# Altium PCB 2 Layers.PcbDoc (part 1 of 2) (continued)
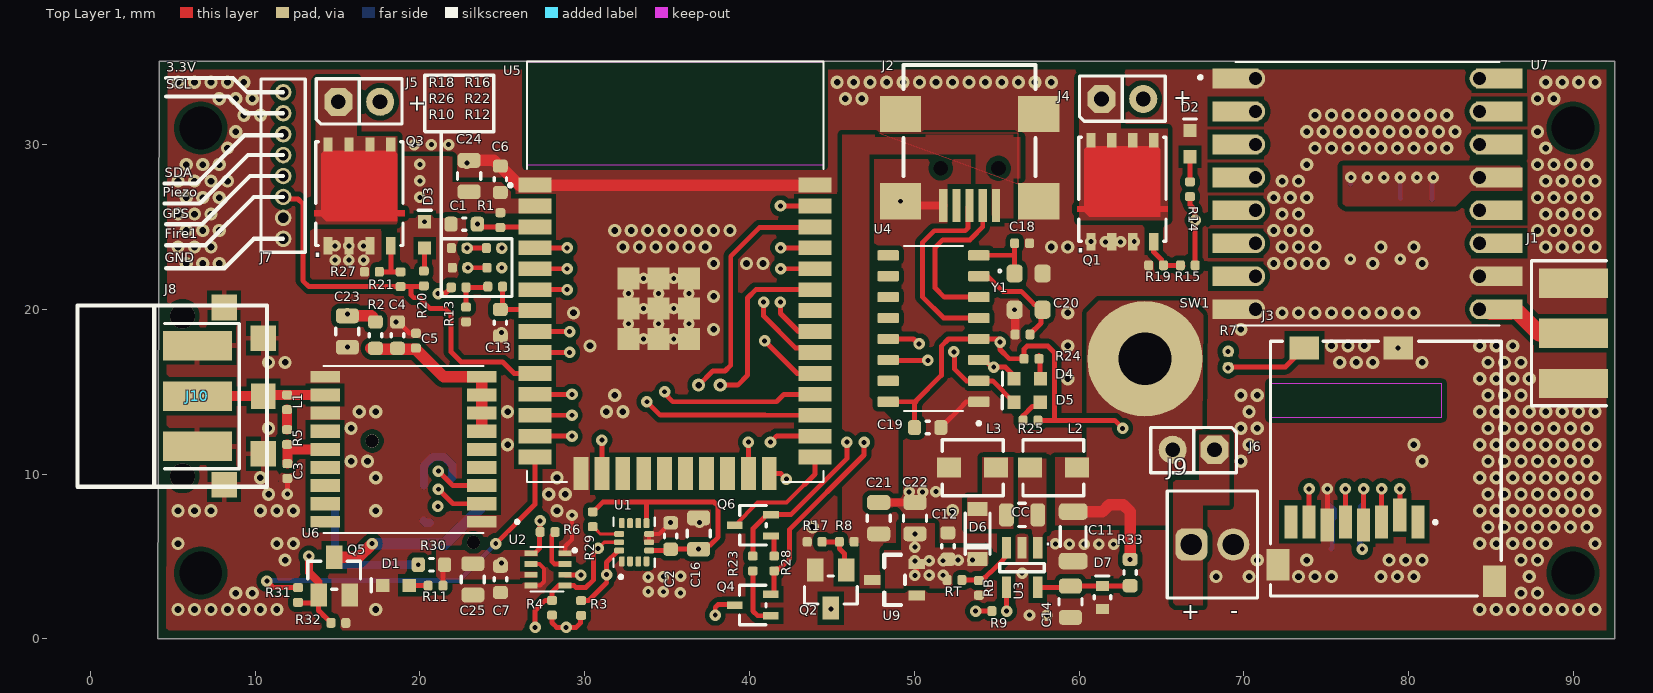
[diagram p0: Top Layer 1 view]
## Footprints (in the part's own frame and the unit in brackets; to place one, negate y for a bottom-side part, rotate by r counter-clockwise, add the part's x,y. Pads: shape width x height; smd on the part's side, far side on the other; paste and mask are expansions set on the pad) (continued)
  silkscreen extent -2.65,-3.15 2.65,3.15, body extent -2.5,-3 2.5,3, height 1
PQFN50P250X300X86-14N [mm]
  rrect50% 0.61x0.35 smd: 1(-1.16,0.75) 2(-1.16,0.25) 3(-1.16,-0.25) 4(-1.16,-0.75) 8(1.16,-0.75) 9(1.16,-0.25) 10(1.16,0.25) 11(1.16,0.75)
  rrect50% 0.35x0.61 smd: 5(-0.5,-0.91) 6(0,-0.91) 7(0.5,-0.91) 12(0.5,0.91) 13(0,0.91) 14(-0.5,0.91)
  silkscreen extent -2.2,-1.25 1.5,1.25, body extent -1.5,-1.25 1.5,1.25, height 0.86
RES_C_0402 [mm] "Chip Resistor, 2-Leads, Body 1.0x0.5mm, IPC Medium Density"
  rrect50% 0.55x0.6 smd: 1(-0.45,0) 2(0.45,0)
  body extent -0.5,-0.3 0.5,0.3, height 0.2
RES_C_0603 [mm] "Chip Resistor, 2-Leads, Body 1.6x0.8mm, IPC Medium Density"
  rrect50% 0.8x0.9 smd: 1(-0.8,0) 2(0.8,0)
  silkscreen extent -0.1,-0.38 0.1,0.38, body extent -0.8,-0.4 0.8,0.4, height 0.3
Screw_SW [mm]
  round 7 smd: 1(-0.016,0.069)
  round 7 smd far side: 2(-0.016,0.069)
SOD-123FL_L [mm]
  rect 0.85x1.2 smd: 1(-1.525,0) 2(1.525,0)
  silkscreen extent -1.25,-0.75 1.25,0.75, body extent -1.79,-0.82 1.79,0.82, height 0.94
SOD-523 [mm] "SOD-523, 2-Leads, L=1.2mm, W=0.8mm, H=0.6mm"
  rect 0.6x0.8 smd: 1(-0.7,0) 2(0.7,0)
  silkscreen extent -0.1,-0.5 1.3,0.5, body extent -0.8,-0.4 0.8,0.4, height 0.7
SOIC127P600X180-16N [mm]
  rrect25% 1.31x0.62 smd: 1(-2.75,4.445) 2(-2.75,3.175) 3(-2.75,1.905) 4(-2.75,0.635) 5(-2.75,-0.635) 6(-2.75,-1.905) 7(-2.75,-3.175) 8(-2.75,-4.445) 9(2.75,-4.445) 10(2.75,-3.175) 11(2.75,-1.905) 12(2.75,-0.635) 13(2.75,0.635) 14(2.75,1.905) 15(2.75,3.175) 16(2.75,4.445)
  silkscreen extent -2.85,-5 1.78,5.85, body extent -3,-5 3,5, height 1.8
SOT-23-3 [mm]
  rect 1x1.4 smd: 1(-0.95,-1.15) 2(0.95,-1.15) 3(0,1.15)
  silkscreen extent -1.6,-0.8 1.6,0.9, body extent -1.5,-1.25 1.5,1.25, height 1.09
SOT-23-5 [mm] "SOT-23-5"
  rect 0.55x1.3 smd: 1(-0.95,-1.2) 2(0,-1.2) 3(0.95,-1.2) 4(0.95,1.2) 5(-0.95,1.2)
  silkscreen extent -1.35,-0.25 1.35,0.25, body extent -1.5,-1.25 1.5,1.25, height 1.08
SOT-23A-3 [mm]
  rect 0.6x1 smd: 1(-0.95,-1.35) 2(0.95,-1.35) 3(0,1.35)
  silkscreen extent -1.52,-0.65 1.52,0.62, body extent -1.5,-1.25 1.5,1.25, height 1.09
SOT-323-3 [mm] "SC-70-3 Equivalent"
  rect 0.45x0.95 smd: 1(-0.65,-1.1) 2(0.65,-1.1) 3(0,1.1)
  silkscreen extent -1.2,-0.8 1.2,0.8, body extent -1.1,-1.12 1.1,1.12, height 1.1
XCVR_MAX-M8C-0-10 [mm]
  rect 1.8x0.7 smd paste-2 mask+0: 1(-4.75,4.4) 9(-4.75,-4.4) 10(4.75,-4.4) 18(4.75,4.4)
  rect 1.8x0.8 smd paste-2 mask+0: 2(-4.75,3.3) 3(-4.75,2.2) 4(-4.75,1.1) 5(-4.75,0) 6(-4.75,-1.1) 7(-4.75,-2.2) 8(-4.75,-3.3) 11(4.75,-3.3) 12(4.75,-2.2) 13(4.75,-1.1) 14(4.75,0) 15(4.75,1.1) 16(4.75,2.2) 17(4.75,3.3)
  silkscreen extent -7,-5.06 4.85,5.06
XCVR_RFM98W-433S2 [mm]
  rect 2.8x1.2 smd: 1(-8,7) 2(-8,5) 3(-8,3) 4(-8,1) 5(-8,-1) 6(-8,-3) 7(-8,-5) 8(-8,-7) 9(8,-7) 10(8,-5) 11(8,-3) 12(8,-1) 13(8,1) 14(8,3) 15(8,5) 16(8,7)
  round 1.2 hole 0.8: 1_1(-6.8,7) 2_1(-6.8,5) 3_1(-6.8,3) 4_1(-6.8,1) 5_1(-6.8,-1) 6_1(-6.8,-3) 7_1(-6.8,-5) 8_1(-6.8,-7) 9_1(6.8,-7) 10_1(6.8,-5) 11_1(6.8,-3) 12_1(6.8,-1) 13_1(6.8,1) 14_1(6.8,3) 15_1(6.8,5) 16_1(6.8,7)
  silkscreen extent -10.23,-8 8,8
XDCR_BMP280 [mm]
  rect 0.8x0.35 smd: 1(1.1,0.975) 2(1.1,0.325) 3(1.1,-0.325) 4(1.1,-0.975) 5(-0.95,-0.975) 6(-0.95,-0.325) 7(-0.95,0.325) 8(-0.95,0.975)
  silkscreen extent -1,-1.35 1.8,1.35

## Part data
C1 C2 C4 C6 C7 C8 C10 C13 C19: library part CAP0380, Manufacturer 1=AVX, Manufacturer Part Number 1=06033D104KAT2A, Operating Temperature="-55C to +85C", Package=0603, Supplier Part Number 1=478-1244-1-ND, Temperature Coefficient=X5R, Tolerance=10%, Voltage=25V, Category=Capacitor, ComponentLink1Description="SVN Datasheet", ComponentLink1URL=https://chn-vm-apps.microchip.com/mchprepo/parts/Datasheets/smccp.pdf, ComponentLink2Description="Local Datasheet", ComponentLink2URL=C:\ALTIUM_WORK\00001_MCHP-CDB\Datasheets\smccp.pdf, ComponentLink3Description="Open Symbol", ComponentLink3URL="C:\ALTIUM_WORK\00001_MCHP-CDB\Library\LibraryRefs\Capacitor NP.SchLib", ComponentLink4Description="Open Footprint", ComponentLink4URL=C:\ALTIUM_WORK\00001_MCHP-CDB\Library\Footprints\CAP_C_0603.PcbLib, ComponentLink5Description="Open Footprint 2", ComponentLink6Description="Open Footprint 3", ComponentLink7Description="Open Footprint 4", Description_="CAP CER 0.1uF 25V 10% X5R SMD 0603", Dev Tools Status=Production, MCHP-ID=CAP0380, Populated=Yes, Quantity Override=1, Revision=1, Status="MCL Design", Supplier 1=Digi-Key, Symbol="Capacitor NP", Type=Ceramic
C3 C5: library part CAP0278, Manufacturer 1=KEMET, Manufacturer Part Number 1=C0402C103K4RACTU, Manufacturer Part Number 2=C0402C103K4RAC, Operating Temperature="-55C to +125C", Package=0402, Supplier Part Number 1=399-1038-1-ND, Temperature Coefficient=X7R, Tolerance=10%, Voltage=16V, Category=Capacitor, ComponentLink1Description="SVN Datasheet", ComponentLink1URL=https://chn-vm-apps.microchip.com/mchprepo/parts/Datasheets/KEM_C1002_X7R_SMD.pdf, ComponentLink2Description="Local Datasheet", ComponentLink2URL=C:\ALTIUM_WORK\00001_MCHP-CDB\Datasheets\KEM_C1002_X7R_SMD.pdf, ComponentLink3Description="Open Symbol", ComponentLink3URL="C:\ALTIUM_WORK\00001_MCHP-CDB\Library\LibraryRefs\Capacitor NP.SchLib", ComponentLink4Description="Open Footprint", ComponentLink4URL=C:\ALTIUM_WORK\00001_MCHP-CDB\Library\Footprints\CAP_C_0402.PcbLib, ComponentLink5Description="Open Footprint 2", ComponentLink6Description="Open Footprint 3", ComponentLink7Description="Open Footprint 4", Description_="CAP CER 10000pF 16V 10% X7R SMD 0402", Dev Tools Status=Production, Manufacturer 2=KEMET, MCHP-ID=CAP0278, Populated=YES, Quantity Override=1, Revision=1, Status="MCL Design", Supplier 1=Digi-Key, Supplier 2=KEMET, Supplier Part Number 2=C0402C103K4RAC, Symbol="Capacitor NP", Type=Ceramic
C9: library part CAP0048, "Capacitor", Manufacturer 1=AVX, Manufacturer 2=Nemco, Manufacturer 4=Vishay, Manufacturer Part Number 1=TAJB106M016Y, Manufacturer Part Number 2=PCT10/16BKLF, Manufacturer Part Number 3=PCT10/16BMLF, Manufacturer Part Number 4=293D106X0016B2WE3, Manufacturer Part Number 5=293D106X0016B2W, Operating Temperature="-55C to +85C", Package=TANT-B, Tolerance=20%, Voltage=16V, Category=Capacitor, ComponentLink1Description="SVN Datasheet", ComponentLink1URL=https://chn-vm-apps.microchip.com/mchprepo/parts/Datasheets/293d.pdf, ComponentLink2Description="Local Datasheet", ComponentLink2URL=C:\ALTIUM_WORK\00001_MCHP-CDB\Datasheets\293d.pdf, ComponentLink3Description="Open Symbol", ComponentLink3URL="C:\ALTIUM_WORK\00001_MCHP-CDB\Library\LibraryRefs\Capacitor POL.SchLib", ComponentLink4Description="Open Footprint", ComponentLink4URL=C:\ALTIUM_WORK\00001_MCHP-CDB\Library\Footprints\CAP_TANT_B.PcbLib, ComponentLink5Description="Open Footprint 2", ComponentLink6Description="Open Footprint 3", ComponentLink7Description="Open Footprint 4", Description_="CAP TANT 10uF 16V 20% 2Ohm SMD B", Dev Tools Status=Production, ESR=2Ohm, Manufacturer 3=Nemco, Manufacturer 5=Vishay, MCHP-ID=CAP0048, Populated=Yes, Quantity Override=1, Revision=1, Status="MCL Design", Supplier 1=AVX, Supplier 2=Nemco, Supplier 3=Nemco, Supplier 4=Vishay, Supplier 5=Vishay, Supplier Part Number 1=TAJB106M016Y, Supplier Part Number 2=PCT10/16BKLF, Supplier Part Number 3=PCT10/16BMLF, Supplier Part Number 4=293D106X0016B2WE3, Supplier Part Number 5=293D106X0016B2W, Symbol="Capacitor POL", Type=Tantalum
C11: library part CAP1159, Manufacturer 1="Murata Electronics North America", Manufacturer 2="Taiyo Yuden", Manufacturer Part Number 1=GRM31CR71E106KA12L, Manufacturer Part Number 2=TMK316B7106KL-TD, Operating Temperature="-55C to +125C", Package=1206, Supplier Part Number 1=490-6518-1-ND, Temperature Coefficient=X7R, Tolerance=10%, Voltage=25V, Category=Capacitor, ComponentLink1Description="SVN Datasheet", ComponentLink1URL=https://chn-vm-apps.microchip.com/mchprepo/parts/Datasheets/mlcc01_e.pdf, ComponentLink2Description="Local Datasheet", ComponentLink2URL=C:\ALTIUM_WORK\00001_MCHP-CDB\Datasheets\mlcc01_e.pdf, ComponentLink3Description="Open Symbol", ComponentLink3URL="C:\ALTIUM_WORK\00001_MCHP-CDB\Library\LibraryRefs\Capacitor NP.SchLib", ComponentLink4Description="Open Footprint", ComponentLink4URL=C:\ALTIUM_WORK\00001_MCHP-CDB\Library\Footprints\CAP_C_1206.PcbLib, ComponentLink5Description="Open Footprint 2", ComponentLink6Description="Open Footprint 3", ComponentLink7Description="Open Footprint 4", Description_="CAP CER 10uF 25V 10% X7R SMD 1206", Dev Tools Status=Production, MCHP-ID=CAP1159, Owner="Adrian T (M91397)", Populated=Yes, Quantity Override=1, Revision=0, Status="MCL Design", Supplier 1=Digi-Key, Supplier 2=Digi-Key, Supplier Part Number 2=587-2399-1-ND, Symbol="Capacitor NP", Type=Ceramic
C12: library part CAP0542, "Capacitor", Manufacturer 1=Samsung, Manufacturer 2="TDK Corporation", Manufacturer 3=Panasonic, Manufacturer Part Number 1=CL10A106MP8NNNC, Manufacturer Part Number 2=C1608X5R1A106M, Manufacturer Part Number 3=ECJ-1VB1A106M, Operating Temperature="-55C to +85C", Package=0603, Supplier Part Number 1=1276-1871-1-ND, Temperature Coeffcient=X5R, Tolerance=20%, Voltage=10V, Category=Capacitor, ComponentLink1Description="SVN Datasheet", ComponentLink1URL=https://chn-vm-apps.microchip.com/mchprepo/parts/Datasheets/ECJ__General_.pdf, ComponentLink2Description="Local Datasheet", ComponentLink2URL=C:\ALTIUM_WORK\00001_MCHP-CDB\Datasheets\ECJ__General_.pdf, ComponentLink3Description="Open Symbol", ComponentLink3URL="C:\ALTIUM_WORK\00001_MCHP-CDB\Library\LibraryRefs\Capacitor NP.SchLib", ComponentLink4Description="Open Footprint", ComponentLink4URL=C:\ALTIUM_WORK\00001_MCHP-CDB\Library\Footprints\CAP_C_0603.PcbLib, ComponentLink5Description="Open Footprint 2", ComponentLink6Description="Open Footprint 3", ComponentLink7Description="Open Footprint 4", Description_="CAP CER 10uF 10V 20% X5R SMD 0603", Dev Tools Status=Production, MCHP-ID=CAP0542, Populated=Yes, Quantity Override=1, Revision=2, Status="MCL Design", Supplier 1=Digi-Key, Supplier 2=Digi-Key, Supplier 3=Digi-Key, Supplier Part Number 2=445-6853-1-ND, Supplier Part Number 3=PCC2479CT-ND, Symbol="Capacitor NP", Type=Ceramic
C14: library part CAP1752, Manufacturer 1=KEMET, Manufacturer Part Number 1=C0805C125K4RACTU, Operating Temperature="-55C to +125C", Package=0805, Supplier Part Number 1=399-4927-1-ND, Temperature Coefficient=X7R, Tolerance=10%, Voltage=16V, Category=Capacitor, ComponentLink1Description="SVN Datasheet", ComponentLink1URL=https://chn-vm-apps.microchip.com/mchprepo/parts/Datasheets/KEM_C1002_X7R_SMD.pdf, ComponentLink2Description="Local Datasheet", ComponentLink2URL=C:\ALTIUM_WORK\00001_MCHP-CDB\Datasheets\KEM_C1002_X7R_SMD.pdf, ComponentLink3Description="Open Symbol", ComponentLink3URL="C:\ALTIUM_WORK\00001_MCHP-CDB\Library\LibraryRefs\Capacitor NP.SchLib", ComponentLink4Description="Open Footprint", ComponentLink4URL=C:\ALTIUM_WORK\00001_MCHP-CDB\Library\Footprints\CAP_C_0805.PcbLib, ComponentLink5Description="Open Footprint 2", ComponentLink6Description="Open Footprint 3", ComponentLink7Description="Open Footprint 4", Description_="CAP CER 1.2uF 16V 10% X7R SMD 0805", Dev Tools Status=Design, MCHP-ID=CAP1752, Owner="Alexandru Chiser - M19201", Populated=YES, Quantity Override=1, Revision=A, Status="MCL Design", Supplier 1=Digi-Key, Symbol="Capacitor NP", Type=Ceramic
C16 C21 C22 C23 C24 C25 C26 C27: library part CAP1017, "Capacitor", Manufacturer 1=TDK, Manufacturer Part Number 1=C2012X5R1H225K, Operating Temperature="-55C to +85C", Package=0805, Supplier Part Number 1=445-5976-1-ND, Temperature Coeffcient=X5R, Tolerance=10%, Voltage=50V, Category=Capacitor, ComponentLink1Description="SVN Datasheet", ComponentLink1URL=https://chn-vm-apps.microchip.com/mchprepo/parts/Datasheets/general_B11.pdf, ComponentLink2Description="Local Datasheet", ComponentLink2URL=C:\ALTIUM_WORK\00001_MCHP-CDB\Datasheets\general_B11.pdf, ComponentLink3Description="Open Symbol", ComponentLink3URL="C:\ALTIUM_WORK\00001_MCHP-CDB\Library\LibraryRefs\Capacitor NP.SchLib", ComponentLink4Description="Open Footprint", ComponentLink4URL=C:\ALTIUM_WORK\00001_MCHP-CDB\Library\Footprints\CAP_C_0805.PcbLib, ComponentLink5Description="Open Footprint 2", ComponentLink6Description="Open Footprint 3", ComponentLink7Description="Open Footprint 4", Description_="CAP CER 2.2uF 50V 10% X5R SMD 0805", Dev Tools Status=Production, MCHP-ID=CAP1017, Owner="Brent Lanphear", Populated=Yes, Quantity Override=1, Revision=2, Status="MCL Design", Supplier 1=Digi-Key, Symbol="Capacitor NP", Type=Ceramic
C18 C20: library part CAP2438, Manufacturer 1="Samsung Electro-Mechanics", Manufacturer Part Number 1=CL05C200GB51PNC, Operating Temperature="-55C to +125C", Package=0402, Supplier Part Number 1=1276-CL05C200GB51PNCTR-ND, Temperature Coefficient=C0G, Tolerance=2%, Voltage=50V, Category=Capacitor, ComponentLink1Description="SVN Datasheet", ComponentLink2Description="Local Datasheet", ComponentLink3Description="Open Symbol", ComponentLink3URL="C:\ALTIUM_WORK\00001_MCHP-CDB\Library\LibraryRefs\Capacitor NP.SchLib", ComponentLink4Description="Open Footprint", ComponentLink4URL=C:\ALTIUM_WORK\00001_MCHP-CDB\Library\Footprints\CAP_C_0402.PcbLib, ComponentLink5Description="Open Footprint 2", ComponentLink6Description="Open Footprint 3", ComponentLink7Description="Open Footprint 4", Description_="Ceramic capacitor, SMD 0402, 20pF, C0G, 50V, +/-2%", Dev Tools Status=Production, MCHP-ID=CAP2438, Owner="Dragos Danaila", Populated=YES, Quantity Override=1, Revision=1, Status="MCL Design", Supplier 1=Digikey, Symbol="Capacitor NP", Type=Ceramic
CC: library part CAP0092, "Capacitor", Manufacturer 1=Panasonic, Manufacturer Part Number 1=ECJ-2YF1A475Z, Operating Temperature="-30C to +85C", Package=0805, Supplier Part Number 1=PCC1842TR-ND, Temperature Coeffcient=Y5V, Tolerance=20%, Voltage=10V, Category=Capacitor, ComponentLink1Description="SVN Datasheet", ComponentLink1URL=https://chn-vm-apps.microchip.com/mchprepo/parts/Datasheets/ECJ__General_.pdf, ComponentLink2Description="Local Datasheet", ComponentLink2URL=C:\ALTIUM_WORK\00001_MCHP-CDB\Datasheets\ECJ__General_.pdf, ComponentLink3Description="Open Symbol", ComponentLink3URL="C:\ALTIUM_WORK\00001_MCHP-CDB\Library\LibraryRefs\Capacitor NP.SchLib", ComponentLink4Description="Open Footprint", ComponentLink4URL=C:\ALTIUM_WORK\00001_MCHP-CDB\Library\Footprints\CAP_C_0805.PcbLib, ComponentLink5Description="Open Footprint 2", ComponentLink6Description="Open Footprint 3", ComponentLink7Description="Open Footprint 4", Description_="CAP CER 4.7uF 10V 20% Y5V SMD 0805", Dev Tools Status=Production, MCHP-ID=CAP0092, Populated=Yes, Quantity Override=1, Revision=1, Status="MCL Design", Supplier 1=Digi-Key, Symbol="Capacitor NP", Type=Ceramic
D1 D2 D3 D4 D5: library part DIODE1066, "LED", Forward Current=20mA, Manufacturer 1=Lumex, Manufacturer Part Number 1=SML-LX0603SRW-TR, Operating Temperature="-40C to +85C", Package=0603, Reverse Current=100uA, Reverse Voltage=5V, Supplier Part Number 1=67-1551-1-ND, Category=Diode, ComponentLink1Description="SVN Datasheet", ComponentLink1URL=https://chn-vm-apps.microchip.com/mchprepo/parts/Datasheets/SML-LX0603SRW-TR.pdf, ComponentLink2Description="Local Datasheet", ComponentLink2URL=C:\ALTIUM_WORK\00001_MCHP-CDB\Datasheets\SML-LX0603SRW-TR.pdf, ComponentLink3Description="Open Symbol", ComponentLink3URL=C:\ALTIUM_WORK\00001_MCHP-CDB\Library\LibraryRefs\LED_red.SchLib, ComponentLink4Description="Open Footprint", ComponentLink4URL=C:\ALTIUM_WORK\00001_MCHP-CDB\Library\Footprints\LED_0603_RED.PcbLib, ComponentLink5Description="Open Footprint 2", ComponentLink6Description="Open Footprint 3", ComponentLink7Description="Open Footprint 4", Description_="DIO LED RED 1.7V 20mA 15mcd Diffuse SMD 0603", Dev Tools Status=Production, MCHP-ID=DIODE1066, Owner="Tad Ahlvers", Populated=YES, Quantity Override=1, Revision=1, Status="MCL Design", Supplier 1=Digi-Key, Symbol=LED_red, Type="LED Single"
D6: library part DIODE1297, "DIO SCTKY RB160M-60TR 550mV 1A 60V SMD SOD-123F", Forward Current=1A, Manufacturer 1="Rohm Semiconductor", Manufacturer Part Number 1=RB161MM-20TR, Operating Temperature="-40C to +125C", Package=SOD-123F, Reverse Current=700uA, Reverse Voltage=20V, Supplier Part Number 1=RB161MM-20CT-ND, Category=Diode, ComponentLink1Description="SVN Datasheet", ComponentLink1URL=https://chn-vm-apps.microchip.com/mchprepo/parts/Datasheets/rb161mm-20.pdf, ComponentLink2Description="Local Datasheet", ComponentLink2URL=C:\ALTIUM_WORK\00001_MCHP-CDB\Datasheets\rb161mm-20.pdf, ComponentLink3Description="Open Symbol", ComponentLink3URL="C:\ALTIUM_WORK\00001_MCHP-CDB\Library\LibraryRefs\Diode Schottky.SchLib", ComponentLink4Description="Open Footprint", ComponentLink4URL=C:\ALTIUM_WORK\00001_MCHP-CDB\Library\Footprints\SOD-123FL.PcbLib, ComponentLink5Description="Open Footprint 2", ComponentLink5URL=C:\ALTIUM_WORK\00001_MCHP-CDB\Library\Footprints\SOD-123FL_L.PcbLib, ComponentLink6Description="Open Footprint 3", ComponentLink7Description="Open Footprint 4", Description_="DIO SCTKY RB161MM-20TR 350mV 1A 20V SMD SOD-123F", Dev Tools Status=Production, MCHP-ID=DIODE1297, Owner="Tim Moffat", Populated=YES, Quantity Override=1, Reverse Recovery Time=500ns, Revision=1, Status="MCL Design", Supplier 1=Digi-Key, Symbol="Diode Schottky", Type="Schottky Single"
D7: library part DIODE1579, Forward Current=10mA, Manufacturer 1="Panasonic Electronic Components", Manufacturer Part Number 1=DZ2S03300L, Operating Temperature="-65C to 150C", Package=SOD-523, Power=150mW, Reverse Current="20µA at 1V", Reverse Voltage=3.3V, Supplier Part Number 1=DZ2S03300LCT-ND, Category=Diode, ComponentLink1Description="SVN Datasheet", ComponentLink1URL=https://chn-vm-apps.microchip.com/mchprepo/parts/Datasheets/DZ2S03300L_E.pdf, ComponentLink2Description="Local Datasheet", ComponentLink2URL=C:\ALTIUM_WORK\00001_MCHP-CDB\Datasheets\DZ2S03300L_E.pdf, ComponentLink3Description="Open Symbol", ComponentLink3URL="C:\ALTIUM_WORK\00001_MCHP-CDB\Library\LibraryRefs\Diode Zener.SchLib", ComponentLink4Description="Open Footprint", ComponentLink4URL=C:\ALTIUM_WORK\00001_MCHP-CDB\Library\Footprints\SOD-523.PcbLib, ComponentLink5Description="Open Footprint 2", ComponentLink6Description="Open Footprint 3", ComponentLink7Description="Open Footprint 4", Description_="DIO ZENER DZ2S03300L 3.3V 150mW SMD SOD-523", Dev Tools Status=Design, MCHP-ID=DIODE1579, Owner="Octavian Stroe", Populated=YES, Quantity Override=1, Revision=A, Status="MCL Design", Supplier 1=Digi-Key, Symbol="Diode Zener", Type="Zener Single"
J1 J10: library part CON1322, Manufacturer 1="Cinch Connectivity Solutions Johnson", Manufacturer Part Number 1=142-0711-821, Supplier Part Number 1=J629-ND, Category=Connector, ComponentLink1Description="SVN Datasheet", ComponentLink1URL=https://chn-vm-apps.microchip.com/mchprepo/parts/Datasheets/pi-142-0711-821.pdf, ComponentLink2Description="Local Datasheet", ComponentLink2URL=C:\ALTIUM_WORK\00001_MCHP-CDB\Datasheets\pi-142-0711-821.pdf, ComponentLink3Description="Open Symbol", ComponentLink3URL=C:\ALTIUM_WORK\00001_MCHP-CDB\Library\LibraryRefs\CON_EDGE_SMA.SchLib, ComponentLink4Description="Open Footprint", ComponentLink4URL=C:\ALTIUM_WORK\00001_MCHP-CDB\Library\Footprints\CON_SMA_142-0711-821.PcbLib, ComponentLink5Description="Open Footprint 2", ComponentLink6Description="Open Footprint 3", ComponentLink7Description="Open Footprint 4", Description_="CON RF Coaxial SMA Female 2P EDGE MNT", Dev Tools Status=Production, MCHP-ID=CON1322, Owner="Duane Burt", Populated=YES, Quantity Override=1, Revision=A, Status="MCL Design", Supplier 1=Digi-Key, Symbol=CON_EDGE_SMA, Type=RF
J2: library part CON0276, Manufacturer 1="Wurth Electronics Inc", Manufacturer 2=Hirose, Manufacturer 3=Oupiin, Manufacturer 4="Dongguan Yang Ming Precision Plastic Hardware Electronics Co., Ltd. (ShenZhen YangMing)", Manufacturer Part Number 1=651305142821, Manufacturer Part Number 2=UX60-MB-5ST, Manufacturer Part Number 3=8969-B05C00DBU, Manufacturer Part Number 4=YM-02-04-A-36, Supplier Part Number 1=732-3154-1-ND, Category=Connector, ComponentLink1Description="SVN Datasheet", ComponentLink1URL=https://chn-vm-apps.microchip.com/mchprepo/parts/Datasheets/e24000019.pdf, ComponentLink2Description="Local Datasheet", ComponentLink2URL=C:\ALTIUM_WORK\00001_MCHP-CDB\Datasheets\e24000019.pdf, ComponentLink3Description="Open Symbol", ComponentLink3URL="C:\ALTIUM_WORK\00001_MCHP-CDB\Library\LibraryRefs\CON USB2.0 Mini_Micro.SchLib", ComponentLink4Description="Open Footprint", ComponentLink4URL=C:\ALTIUM_WORK\00001_MCHP-CDB\Library\Footprints\CON_USB-B_Mini_SMD_RA_HIR_UX60-MB-5ST.PcbLib, ComponentLink5Description="Open Footprint 2", ComponentLink6Description="Open Footprint 3", ComponentLink7Description="Open Footprint 4", Description_="CON USB2.0 MINI-B FEMALE SMD R/A", Dev Tools Status=Production, MCHP-ID=CON0276, Populated=YES, Quantity Override=1, Revision=2, Status="MCL Design", Supplier 1=Digi-Key, Supplier 2=Digi-Key, Supplier 3=Digi-Key, Supplier 4=Oupiin, Supplier 5=Raynen, Supplier Part Number 2=H2959CT-ND, Supplier Part Number 3=H2959TR-ND, Supplier Part Number 4=8969-B05C00DBU, Supplier Part Number 5=PLUG00033B01M, Symbol="CON USB2.0 Mini_Micro", Type=USB
J3: "10 _8 + 2_ Position Card Connector microSDâ„¢ Surface Mount, Right Angle Gold", Package=None, Availability=Unavailable, MF="Global Connector Technology", MP=MEM2061-01-188-00-A, Price=None, SnapEDA_Link=https://www.snapeda.com/parts/MEM2061-01-188-00-A/Global%20Connector%20Technology/view-part/779219/?ref=snap
J4 J5 J6: library part CON1108, Manufacturer 1=FCI, Manufacturer 4=Samtec, Manufacturer 5=Sullins, Manufacturer 6="SPC Technology", Manufacturer 8=Nextron, Manufacturer 10="WURTH ELEKTRONIK", Manufacturer Part Number 1=68001-202HLF, Manufacturer Part Number 2=77311-118-02LF, Manufacturer Part Number 3=68000-202HLF, Manufacturer Part Number 4=TSW-102-07-G-S, Manufacturer Part Number 5=PBC02SAAN, Manufacturer Part Number 6=SPC20481, Manufacturer Part Number 7=TSW-102-07-F-S, Manufacturer Part Number 8=R-211-0211-0021-000, Manufacturer Part Number 9=TSW-102-07-S-S, Manufacturer Part Number 10=61300211121, Supplier Part Number 1=609-3469-ND, Supplier Part Number 10=732-5315-ND, Category=Connector, ComponentLink1Description="SVN Datasheet", ComponentLink1URL=https://chn-vm-apps.microchip.com/mchprepo/parts/Datasheets/77311.pdf, ComponentLink2Description="Local Datasheet", ComponentLink2URL=C:\ALTIUM_WORK\00001_MCHP-CDB\Datasheets\77311.pdf, ComponentLink3Description="Open Symbol", ComponentLink3URL="C:\ALTIUM_WORK\00001_MCHP-CDB\Library\LibraryRefs\Header 1x2.SchLib", ComponentLink4Description="Open Footprint", ComponentLink4URL=C:\ALTIUM_WORK\00001_MCHP-CDB\Library\Footprints\HDR_M_2.54_1x2.PcbLib, ComponentLink5Description="Open Footprint 2", ComponentLink6Description="Open Footprint 3", ComponentLink7Description="Open Footprint 4", Description_="CON HDR-2.54 Male 1x2 Gold 5.84MH TH VERT", Dev Tools Status=Production, Manufacturer 2=FCI, Manufacturer 3=FCI, Manufacturer 7=Samtec, Manufacturer 9=Samtec, MCHP-ID=CON1108, Owner="Bogdan P (M91398)", Populated=Yes, Quantity Override=1, Revision=1, Status="MCL Design", Supplier 1=Digi-Key, Supplier 2=Digi-Key, Supplier 3=Digi-Key, Supplier 4=Digi-Key, Supplier 5=Digi-Key, Supplier 6=Newark, Supplier 7=Newark, Supplier 8=Nextron, Supplier 9=Samtec, Supplier 10=Digi-Key, Supplier Part Number 2=609-4434-ND, Supplier Part Number 3=609-3502-ND, Supplier Part Number 4=SAM1029-02-ND, Supplier Part Number 5=S1011E-02-ND, Supplier Part Number 6=93K5734, Supplier Part Number 7=79P3146, Supplier Part Number 8="Nextron R-211-0211-0021-000", Supplier Part Number 9=TSW-102-07-S-S, Symbol="Header 1x2", Type="Header 2.54mm"
J7: library part CON2104, Current=5A, Manufacturer 1="Samtec Inc.", Manufacturer Part Number 1=TMS-108-02-G-S, Operating Temperature="-55C to +125C", Supplier Part Number 1=SAM15869-ND, Assembly Type=TH, Category=Connector, ComponentLink1Description="SVN Datasheet", ComponentLink1URL=https://chn-vm-apps.microchip.com/mchprepo/parts/Datasheets/tms_th.pdf, ComponentLink2Description="Local Datasheet", ComponentLink2URL=C:\ALTIUM_WORK\00001_MCHP-CDB\Datasheets\tms_th.pdf, ComponentLink3Description="Open Symbol", ComponentLink3URL="C:\ALTIUM_WORK\00001_MCHP-CDB\Library\LibraryRefs\Header 1x8.SchLib", ComponentLink4Description="Open Footprint", ComponentLink4URL=C:\ALTIUM_WORK\00001_MCHP-CDB\Library\Footprints\HDR_M_1.27_1x8_V_TH_TMS-108-02-G-S.PcbLib, ComponentLink5Description="Open Footprint 2", ComponentLink6Description="Open Footprint 3", ComponentLink7Description="Open Footprint 4", Description_="CON HDR-1.27 Male 1x8 Gold 2.54MH TH VERT", Dev Tools Status=Design, MCHP-ID=CON2104, Owner="Ciprian Abramov", Populated=YES, Quantity Override=1, Revision=1, Status="MCL Design", Supplier 1=Digi-Key, Symbol="Header 1x8", Type="Header 1.27mm"
J9: "WR-TBL Serie 2109 Horizontal Entry, Rising Cage Clamp, THT, pitch 2.54mm, 2p", Manufacturer="Wurth Elektronik", Operating Temperature="-40 to +105degC", Rated Current [UL]=6A, Working Voltage [UL]=150VAC, Application="Rising Cage Clamp", ComponentLink1Description=Manufacturer, ComponentLink1URL=http://www.we-online.de, ComponentLink2Description=Datasheet, ComponentLink2URL=https://katalog.we-online.de/em/datasheet/691210910002.pdf, Manufacturer Part Number=691210910002, Modularity=No, Mounting Technology=THT, Packaging=Box, PCB/Cable/Panel=PCB, Pin Number=2, Pitch=2.54mm, Published Date="Feburary 2021", Type=Horizontal
L1: library part IND1077, Manufacturer 1=TDK, Manufacturer Part Number 1=MLK1005S27NJ, Operating Temperature="-55C to +125C", Package=0402, RMS Current=200mA, Supplier Part Number 1=445-1472-1-ND, Test Frequency=100MHz, Category=Inductor, ComponentLink1Description="SVN Datasheet", ComponentLink1URL=https://chn-vm-apps.microchip.com/mchprepo/parts/Datasheets/e521_mlk.pdf, ComponentLink2Description="Local Datasheet", ComponentLink2URL=C:\ALTIUM_WORK\00001_MCHP-CDB\Datasheets\e521_mlk.pdf, ComponentLink3Description="Open Symbol", ComponentLink3URL=C:\ALTIUM_WORK\00001_MCHP-CDB\Library\LibraryRefs\Inductor.SchLib, ComponentLink4Description="Open Footprint", ComponentLink4URL=C:\ALTIUM_WORK\00001_MCHP-CDB\Library\Footprints\IND_C_0402.PcbLib, ComponentLink5Description="Open Footprint 2", ComponentLink6Description="Open Footprint 3", ComponentLink7Description="Open Footprint 4", DCR=0.8R, Description_="INDUCTOR 27nH 200mA 5% SMD 0402", Dev Tools Status=Production, MCHP-ID=IND1077, Owner="Tad Ahlvers", Populated=YES, Quantity Override=1, Revision=1, Status="MCL Design", Supplier 1=Digi-Key, Symbol=Inductor, Type=Inductor
L2 L3: library part IND1638, Manufacturer 1="Bourns Inc.", Manufacturer Part Number 1=SRP3020TA-5R6M, Operating Temperature="-40C ~ 150C", Package=L3.5xW3.2xH1.8, RMS Current=2.2A, Saturation Current=2.6A, Supplier Part Number 1=SRP3020TA-5R6MCT-ND, Test Frequency=100kHz, Category=Inductor, ComponentLink1Description="SVN Datasheet", ComponentLink1URL=https://chn-vm-apps.microchip.com/mchprepo/parts/Datasheets/srp3020ta.pdf, ComponentLink2Description="Local Datasheet", ComponentLink2URL=C:\ALTIUM_WORK\00001_MCHP-CDB\Datasheets\srp3020ta.pdf, ComponentLink3Description="Open Symbol", ComponentLink3URL=C:\ALTIUM_WORK\00001_MCHP-CDB\Library\LibraryRefs\Inductor.SchLib, ComponentLink4Description="Open Footprint", ComponentLink4URL=C:\ALTIUM_WORK\00001_MCHP-CDB\Library\Footprints\IND_CFT_SRP3020_L3.5W3.2H1.8.PcbLib, ComponentLink5Description="Open Footprint 2", ComponentLink5URL=C:\ALTIUM_WORK\00001_MCHP-CDB\Library\Footprints\IND_CFT_SRP3020_L3.5W3.2H1.8_L.PcbLib, ComponentLink6Description="Open Footprint 3", ComponentLink7Description="Open Footprint 4", DCR=0.238R, Description_="FIXED IND 5.6uH 2.2A 238mOHM SMD AEC-Q200", Dev Tools Status=Design, MCHP-ID=IND1638, Owner="Cristian Papuc", Populated=YES, Quantity Override=1, Revision=A, Status="MCL Design", Supplier 1=Digi-Key, Symbol=Inductor, Type=Inductor
LS: "9 mm, 3.6 V, 87 dB, Surface Mount _SMT_, Magnetic Audio Transducer Buzzer", Package="CUI Inc.", Availability=Unavailable, CUI_purchase_URL=https://www.cuidevices.com/product/audio/buzzers/audio-transducers/cbt-09427-smt-tr?utm_source=snapeda.com&utm_medium=referral&utm_campaign=snapedaBOM, MF="CUI Devices", MP=CBT-09427-SMT-TR, Price=None, SnapEDA_Link=https://www.snapeda.com/parts/CBT-09427-SMT-TR/CUI%20Devices/view-part/547873/?ref=snap
Q1 Q3: library part TRA1320, Current=98A, Drain to Source Voltage=40V, Gate to Source Voltage=2V, Manufacturer 1="Infineon Technologies", Manufacturer Part Number 1=BSC032N04LSATMA1, Operating Temperature="-55C to +150C", Package=TDSON-8, Power=52W, Supplier Part Number 1=BSC032N04LSATMA1CT-ND, Category=Transistor, ComponentLink1Description="SVN Datasheet", ComponentLink1URL=https://chn-vm-apps.microchip.com/mchprepo/parts/Datasheets/Infineon-BSC032N04LS-DS-v02_01-EN.pdf, ComponentLink2Description="Local Datasheet", ComponentLink2URL=C:\ALTIUM_WORK\00001_MCHP-CDB\Datasheets\Infineon-BSC032N04LS-DS-v02_01-EN.pdf, ComponentLink3Description="Open Symbol", ComponentLink3URL="C:\ALTIUM_WORK\00001_MCHP-CDB\Library\LibraryRefs\Transistor MOS-N SSSGDDDD.SchLib", ComponentLink4Description="Open Footprint", ComponentLink4URL=C:\ALTIUM_WORK\00001_MCHP-CDB\Library\Footprints\PDFN-8_5x6.PcbLib, ComponentLink5Description="Open Footprint 2", ComponentLink6Description="Open Footprint 3", ComponentLink7Description="Open Footprint 4", Description_="TRANS FET N-CH  BSC032N04LSATMA1 40V 98A 52W TDSON-8", Dev Tools Status=Design, MCHP-ID=TRA1320, Owner="Cristian Papuc", Populated=YES, Quantity Override=1, Revision=1, Status="MCL Design", Supplier 1=Digikey, Symbol="Transistor MOS-N SSSGDDDD", Type=FET, Voltage=40V
Q2 Q5: library part MIC7247, "Transistor MOS", Manufacturer 1="Microchip Technology", Manufacturer Part Number 1=2N7002-G, Supplier Part Number 1=2N7002-GMCCT-ND, Category=MCHP-Analog, ComponentLink1Description="SVN Datasheet", ComponentLink2Description="Local Datasheet", ComponentLink2URL=C:\ALTIUM_WORK\00001_MCHP-CDB\Datasheets\2N7002.pdf, ComponentLink3Description="Open Symbol", ComponentLink3URL="C:\ALTIUM_WORK\00001_MCHP-CDB\Library\LibraryRefs\Transistor MOS-N GSD.SchLib", ComponentLink4Description="Open Footprint", ComponentLink4URL=C:\ALTIUM_WORK\00001_MCHP-CDB\Library\Footprints\SOT-23-3.PcbLib, ComponentLink5Description="Open Footprint 2", ComponentLink6Description="Open Footprint 3", ComponentLink7Description="Open Footprint 4", Description_="MCHP ANALOG MOSFET N-CH 2N7002-G 60V 115mA SOT-23-3", Dev Tools Status=Production, MCHP-ID=MIC7247, Owner="Mark Loper", Populated=YES, Quantity Override=1, Revision=1, Status="MCL Design", Supplier 1=Digi-Key, Symbol="Transistor MOS-N GSD", Type=MOSFET
Q4 Q6: library part TRA0094, "Transistor Bipolar", Current=100mA, Manufacturer 1="NXP Semiconductors", Manufacturer Part Number 1=BC847BW,135, Operating Temperature="-65C to +150C", Package=SOT-323-3, Power=200mW, Supplier Part Number 1=BC847BW,135-ND, Voltage=45V, Category=Transistor, ComponentLink1Description="SVN Datasheet", ComponentLink1URL=https://chn-vm-apps.microchip.com/mchprepo/parts/Datasheets/BC847_BC547_SER.pdf, ComponentLink2Description="Local Datasheet", ComponentLink2URL=C:\ALTIUM_WORK\00001_MCHP-CDB\Datasheets\BC847_BC547_SER.pdf, ComponentLink3Description="Open Symbol", ComponentLink3URL="C:\ALTIUM_WORK\00001_MCHP-CDB\Library\LibraryRefs\Transistor NPN BEC.SchLib", ComponentLink4Description="Open Footprint", ComponentLink4URL=C:\ALTIUM_WORK\00001_MCHP-CDB\Library\Footprints\SOT-323-3.PcbLib, ComponentLink5Description="Open Footprint 2", ComponentLink6Description="Open Footprint 3", ComponentLink7Description="Open Footprint 4", Description_="TRANS BJT NPN BC847W 45V 100mA 200mW SOT-323-3", Dev Tools Status=Production, MCHP-ID=TRA0094, Populated=YES, Quantity Override=1, Revision=2, Status="MCL Design", Supplier 1=Digi-Key, Symbol="Transistor NPN BEC", Type=BJT
R1 R6 R7 R10 R23 R28 R29 R32: library part RES1012, Manufacturer 1=SUSUMU, Manufacturer Part Number 1=RR0510P-103-D, Operating Temperature="-55C to +125C", Package=0402, Power=1/16W, Supplier Part Number 1=RR05P10.0KDCT-ND, Temperature Coefficient=25ppm/C, Tolerance=0.5%, Voltage=25V, Category=Resistor, ComponentLink1Description="SVN Datasheet", ComponentLink1URL=https://chn-vm-apps.microchip.com/mchprepo/parts/Datasheets/products_12.pdf, ComponentLink2Description="Local Datasheet", ComponentLink2URL=C:\ALTIUM_WORK\00001_MCHP-CDB\Datasheets\products_12.pdf, ComponentLink3Description="Open Symbol", ComponentLink3URL=C:\ALTIUM_WORK\00001_MCHP-CDB\Library\LibraryRefs\Resistor.SchLib, ComponentLink4Description="Open Footprint", ComponentLink4URL=C:\ALTIUM_WORK\00001_MCHP-CDB\Library\Footprints\RES_C_0402.PcbLib, ComponentLink5Description="Open Footprint 2", ComponentLink6Description="Open Footprint 3", ComponentLink7Description="Open Footprint 4", Composition=TF, Description_="RES TF 10k 0.5% 1/16W SMD 0402", Dev Tools Status=Production, MCHP-ID=RES1012, Owner="Tad Ahlvers", Populated=YES, Quantity Override=1, Revision=1, Status="MCL Design", Supplier 1=Digi-Key, Symbol=Resistor, Type="RES SMD"